# Altium PCB МПСУ.687254.22-01.PcbDoc (part 1 of 2) (continued)
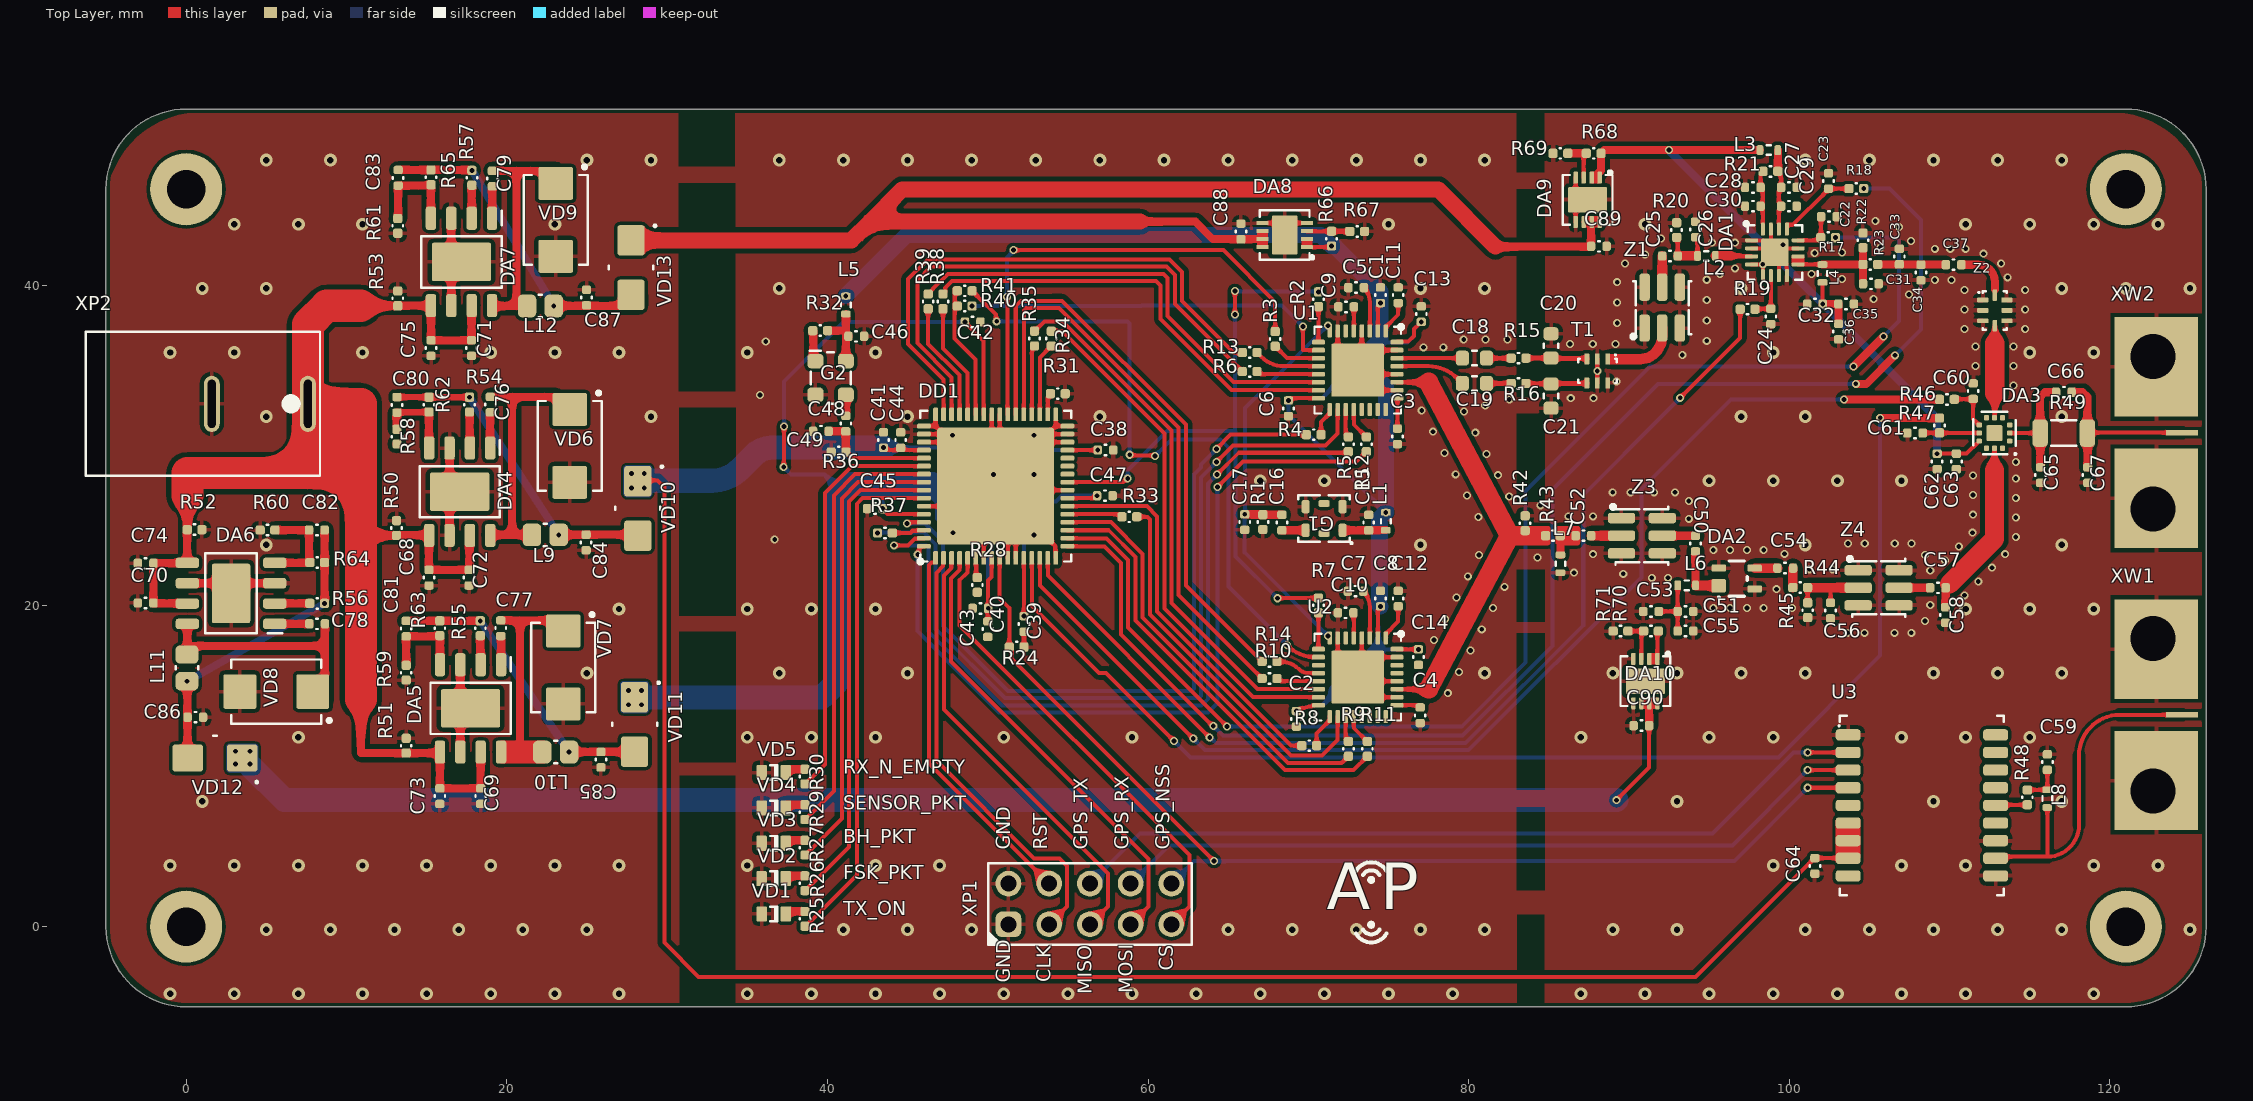
[diagram p0: Top Layer view]
## Components (designator, comment, footprint, x,y, rotation, side; value= is the part's Value field where it differs from the comment) (continued)
R16 "22 Ом ± 1 % 0 Вт 0402 RC0402FR-0722RL" RESC100X50X40L25N 83.115,33.884 r0 top value="22 Ом"
R17 "300 Ом ± 5 % 0 Вт 0402 RI0402L301JT" RESC100X50X40L25N 102.425,42.977 r180 top value="300 Ом"
R18 "300 Ом ± 5 % 0 Вт 0402 RI0402L301JT" RESC100X50X40L25N 104.185,46.037 r180 top value="300 Ом"
R19 "300 Ом ± 5 % 0 Вт 0402 RI0402L301JT" RESC100X50X40L25N 97.4,38.512 r0 top value="300 Ом"
R20 "TBD 0402" RESC100X50X40L25N 92.975,43.452 r90 top value=TBD
R21 "10 Ом ± 5 % 0 Вт 0402 RI0402L100JT" RESC100X50X40L25N 98.825,47.112 r180 top value="10 Ом"
R22 "TBD 0402" RESC100X50X40L25N 104.598,42.807 r90 top value=TBD
R23 "TBD 0402" RESC100X50X40L25N 105.058,41.307 r0 top value=TBD
R24 "10 кОм ± 5 % 0 Вт 0402 RI0402L103JT" RESC100X50X40L25N 51.805,17.433 r180 top value="10 кОм"
R25 "470 Ом ± 5 % 0 Вт 0402 RI0402L471JT" RESC100X50X40L25N 38.6,0.487 r90 top value="470 Ом"
R26 "470 Ом ± 5 % 0 Вт 0402 RI0402L471JT" RESC100X50X40L25N 38.6,2.706 r90 top value="470 Ом"
R27 "470 Ом ± 5 % 0 Вт 0402 RI0402L471JT" RESC100X50X40L25N 38.6,4.925 r90 top value="470 Ом"
R28 "0 Ом ± 5 % 0 Вт 0402 RI0402L000JT" RESC100X50X40L25N 49.35,21.312 r90 top value="0 Ом"
R29 "470 Ом ± 5 % 0 Вт 0402 RI0402L471JT" RESC100X50X40L25N 38.6,7.144 r90 top value="470 Ом"
R30 "470 Ом ± 5 % 0 Вт 0402 RI0402L471JT" RESC100X50X40L25N 38.6,9.362 r90 top value="470 Ом"
R31 "0 Ом ± 5 % 0 Вт 0402 RI0402L000JT" RESC100X50X40L25N 54.375,33.242 r180 top value="0 Ом"
R32 "10 кОм ± 5 % 0 Вт 0402 RI0402L103JT" RESC100X50X40L25N 39.55,37.175 r180 top value="10 кОм"
R33 "110 Ом ± 5 % 0 Вт 0402 RC-02U111JT" RESC100X50X40L25N 58.835,25.566 r180 top value="110 Ом"
R34 "110 Ом ± 5 % 0 Вт 0402 RC-02U111JT" RESC100X50X40L25N 53.969,36.681 r270 top value="110 Ом"
R35 "110 Ом ± 5 % 0 Вт 0402 RC-02U111JT" RESC100X50X40L25N 52.919,36.684 r270 top value="110 Ом"
R36 "DNP 0402" RESC100X50X40L25N 40.7,29.6 r180 top value=DNP
R37 "110 Ом ± 5 % 0 Вт 0402 RC-02U111JT" RESC100X50X40L25N 43.59,24.554 r180 top value="110 Ом"
R38 "110 Ом ± 5 % 0 Вт 0402 RC-02U111JT" RESC100X50X40L25N 47.213,38.999 r90 top value="110 Ом"
R39 "110 Ом ± 5 % 0 Вт 0402 RC-02U111JT" RESC100X50X40L25N 46.288,38.999 r90 top value="110 Ом"
R40 "110 Ом ± 5 % 0 Вт 0402 RC-02U111JT" RESC100X50X40L25N 48.566,38.709 r0 top value="110 Ом"
R41 "110 Ом ± 5 % 0 Вт 0402 RC-02U111JT" RESC100X50X40L25N 48.566,39.659 r0 top value="110 Ом"
R42 "56 Ом ± 1 % 0 Вт 0402 CR-02FL6-56R" RESC100X50X40L25N 83.525,25.162 r90 top value="56 Ом"
R43 "0 Ом ± 5 % 0 Вт 0402 RI0402L000JT" RESC100X50X40L25N 85.26,24.384 r180 top value="0 Ом"
R44 "0 Ом ± 5 % 0 Вт 0402 RI0402L000JT" RESC100X50X40L25N 100.685,21.147 r180 top value="0 Ом"
R45 "TBD 0402" RESC100X50X40L25N 101.15,19.737 r270 top value=TBD
R46 "300 Ом ± 5 % 0 Вт 0402 RI0402L301JT" RESC100X50X40L25N 109.835,32.887 r0 top value="300 Ом"
R47 "300 Ом ± 5 % 0 Вт 0402 RI0402L301JT" RESC100X50X40L25N 109.375,31.262 r270 top value="300 Ом"
R48 "10 Ом ± 5 % 0 Вт 0402 RI0402L100JT" RESC100X50X40L25N 114.85,8.062 r270 top value="10 Ом"
R49 "0 Ом ± 5 % 0 Вт 1206 RI1206L000JT" RESC310X160X55L50N 117.125,30.787 r0 top value="0 Ом"
R50 "10 кОм ± 5 % 0 Вт 0402 RI0402L103JT" RESC100X50X40L25N 13.125,24.862 r90 top value="10 кОм"
R51 "10 кОм ± 5 % 0 Вт 0402 RI0402L103JT" RESC100X50X40L25N 13.725,11.287 r90 top value="10 кОм"
R52 "10 кОм ± 5 % 0 Вт 0402 RI0402L103JT" RESC100X50X40L25N 0.525,24.762 r0 top value="10 кОм"
R53 "10 кОм ± 5 % 0 Вт 0402 RI0402L103JT" RESC100X50X40L25N 13.2,39.187 r90 top value="10 кОм"
R54 "47 кОм ± 5 % 0 Вт 0402 RI0402L473JT" RESC100X50X40L25N 17.675,32.562 r90 top value="47 кОм"
R55 "47 кОм ± 5 % 0 Вт 0402 RI0402L473JT" RESC100X50X40L25N 18.35,18.612 r90 top value="47 кОм"
R56 "47 кОм ± 5 % 0 Вт 0402 RI0402L473JT" RESC100X50X40L25N 8.175,20.162 r0 top value="47 кОм"
R57 "47 кОм ± 5 % 0 Вт 0402 RI0402L473JT" RESC100X50X40L25N 17.825,46.712 r90 top value="47 кОм"
R58 "3 кОм ± 1 % 0 Вт 0402 RC0402FR-073KL" RESC100X50X40L25N 13.15,30.562 r270 top value="3 кОм"
R59 "3 кОм ± 1 % 0 Вт 0402 RC0402FR-073KL" RESC100X50X40L25N 13.725,15.837 r270 top value="3 кОм"
R60 "2 кОм ± 5 % 0 Вт 0402 RC-02W202JT" RESC100X50X40L25N 5.075,24.737 r180 top value="2 кОм"
R61 "3 кОм ± 1 % 0 Вт 0402 RC0402FR-073KL" RESC100X50X40L25N 13.2,43.712 r270 top value="3 кОм"
R62 "5,1 кОм ± 1 % 0 Вт 0402 RI0402L5101FT" RESC100X50X40L25N 15.15,32.562 r270 top value="5,1 кОм"
R63 "2,4 кОм ± 1 % 0 Вт 0402 RC0402FR-072K4L" RESC100X50X40L25N 15.825,18.612 r270 top value="2,4 кОм"
R64 "7,5 кОм ± 1 % 0 Вт 0402 RI0402L7501FT" RESC100X50X40L25N 8.175,22.712 r180 top value="7,5 кОм"
R65 "6,8 кОм ± 5 % 0 Вт 0402 RC-02W682JT" RESC100X50X40L25N 15.275,46.737 r270 top value="6,8 кОм"
R66 "5,6 кОм ± 1 % 0 Вт 0402 RI0402L5601FT" RESC100X50X40L25N 71.45,42.915 r90 top value="5,6 кОм"
R67 "3 кОм ± 1 % 0 Вт 0402 RC0402FR-073KL" RESC100X50X40L25N 73.05,43.365 r0 top value="3 кОм"
R68 "6,2 кОм ± 5 % 0 Вт 0402 RI0402L622JT" RESC100X50X40L25N 87.8,48.237 r180 top value="6,2 кОм"
R69 "3 кОм ± 1 % 0 Вт 0402 RC0402FR-073KL" RESC100X50X40L25N 85.725,48.237 r180 top value="3 кОм"
R70 "10 кОм ± 5 % 0 Вт 0402 RI0402L103JT" RESC100X50X40L25N 91.375,18.437 r180 top value="10 кОм"
R71 "3 кОм ± 1 % 0 Вт 0402 RC0402FR-073KL" RESC100X50X40L25N 89.475,18.437 r180 top value="3 кОм"
T1 "0868BM15C0001S" LCC065P125X200X085-6 88.028,34.662 r270 top
U1 "SX1257IWLTRT" SX1257IWLTRT 73.085,34.709 r270 top
U2 "SX1257IWLTRT" SX1257IWLTRT 73.085,15.559 r270 top
U3 "MAX-7Q" MAX-7-Q0 108.275,7.562 r0 top
VD1 "KP-1608ZGC" KP-1608ZGC 36.65,0.787 r180 top
VD2 "KP-1608SYCK" KP-1608ZGC 36.65,2.994 r180 top
VD3 "KP-1608QBC-D" KP-1608ZGC 36.65,5.2 r180 top
VD4 "KP-1608ZGC" KP-1608ZGC 36.65,7.406 r180 top
VD5 "KP-1608SURC" KP-1608ZGC 36.65,9.612 r180 top
VD6 "STPS3L60U" DIOM5436X11N 23.925,29.987 r270 top
VD7 "STPS3L60U" DIOM5436X11N 23.525,16.162 r270 top
VD8 "STPS3L60U" DIOM5436X11N 5.625,14.662 r180 top
VD9 "STPS3L60U" DIOM5436X11N 23.05,44.087 r270 top
VD10 "B340A-M3" DIOC4227X10N 28.175,26.087 r270 top
VD11 "B340A-M3" DIOC4227X10N 27.975,12.612 r270 top
VD12 "B340A-M3" DIOC4227X10N 1.8,10.512 r180 top
VD13 "B340A-M3" DIOC4227X10N 27.75,41.112 r270 top
XP1 "DS1021-2x5SF11-B" HDRV10W64P254_5X2_1270X508H854 56.375,1.412 r0 top
XP2 "DS-201" DS-201 1.05,32.612 r0 top
XW1 "32K243-40ML5" 32K243-40ML5 125.498,13.212 r180 top
XW2 "32K243-40ML5" 32K243-40ML5 125.498,30.812 r180 top
Z1 "FP3P7-814-10" LCCS110P300X300X146-6N 92.075,38.612 r90 top
Z2 "0868LP15A020E" LCC065P125X200X085-8 112.825,38.437 r0 top
Z3 "FP3P7-814-10" LCCS110P300X300X146-6N 90.81,24.384 r0 top
Z4 "FP3P7-814-10" LCCS110P300X300X146-6N 105.575,21.137 r0 top
? "Comment" M2_Hole#1 1,0 r0 top
? "Comment" M2_Hole#2 120.482,-0.524 r0 top
? "Comment" M2_Hole#3 121,44.812 r0 top
? "Comment" M2_Hole#4 0,44.812 r0 top

## Footprints (in the part's own frame and the unit in brackets; to place one, negate y for a bottom-side part, rotate by r counter-clockwise, add the part's x,y. Pads: shape width x height; smd on the part's side, far side on the other; paste and mask are expansions set on the pad)
32K243-40ML5 [mm] "Right Angle Jack PCB SMA Female End Launch Connector"
  rect 2x0.35 smd paste-1 mask+0: 1(1,0)
  rect 5.2x4 smd far side paste-4 mask+0: 2(2.6,0)
  rect 5.2x6.2 hole 2.8 copper offset -0.2,-0.65 paste-2.6 mask+0: 2(2.8,4.75)
  rect 5.2x6.2 hole 2.8 copper offset -0.2,0.65 paste-2.6 mask+0: 2(2.8,-4.75)
  body extent -9.5,-7 5,7, height 4.14
CAPC100X50X55L20N [mm] "Capacitor, Chip; 1.00 mm L X 0.50 mm W X 0.55 mm H body"
  rrect50% 0.53x0.58 smd: 1(-0.485,0) 2(0.485,0)
  silkscreen extent -0.05,-0.33 0.05,0.33, body extent -0.5,-0.25 0.5,0.25, height 0.55
CAPC160X80X90L30N [mm] "Capacitor, Chip; 1.60 mm L X 0.80 mm W X 0.90 mm H body"
  rrect50% 0.82x0.93 smd: 1(-0.755,0) 2(0.755,0)
  silkscreen extent -0.13,-0.45 0.13,0.45, body extent -0.8,-0.4 0.8,0.4, height 0.9
DIOC4227X10N [mm] "Chip Diode, 2-Leads, Body 4,25x2,67mm, IPC Medium Density"
  rrect20% 1.9x1.7 smd: 1(-1.7,0) 2(1.7,0)
  silkscreen extent -2.65,-1.4 0.1,1.55, body extent -2.25,-1.4 2.25,1.4, height 1
DIOM5436X11N [mm] "Molded Diode, 2-Leads, Body 5,40x3,63mm, IPC Medium Density"
  rrect10% 2.05x2.15 smd: 1(-2.275,0) 2(2.275,0)
  silkscreen extent -3.42,-2 2.8,2, body extent -3.02,-1.97 3.02,1.97, height 1.1
DS-201 [mm] "DC Supply"
  oval 1x3.5 hole 0.5 slot 3 at 90 deg: 1(6.55,0) 2(0.55,0)
  silkscreen extent -7.3,-4.5 7.3,4.5, body extent -7.25,-4.5 7.25,4.5, height 11
DSC1001CI2 [mm] "4-Leads, Body 2,50x3,20mm, Pitch 2,10mm, IPC Medium Density"
  rrect50% 1x0.9 smd: 1(-0.95,1.05) 2(-0.95,-1.05) 3(0.95,-1.05) 4(0.95,1.05)
  silkscreen extent -1.3,-1.6 1.25,1.7, body extent -1.25,-1.6 1.25,1.6, height 0.9
HDRV10W64P254_5X2_1270X508H854 [mm] "Header, Vertical, 2.54 mm pitch; 0.64 mm lead width, 10 pins, 2 rows, 5 pins per row, 12.70 mm L X 5.08 mm W X 8.54 mm H body"
  rrect50% 1.6x1.6 hole 1: 1(-5.08,-1.27)
  round 1.6 hole 1: 2(-5.08,1.27) 3(-2.54,-1.27) 4(-2.54,1.27) 5(0,-1.27) 6(0,1.27) 7(2.54,-1.27) 8(2.54,1.27) 9(5.08,-1.27) 10(5.08,1.27)
  silkscreen extent -6.35,-2.55 6.35,2.55, body extent -6.35,-2.54 6.35,2.54, height 8.54
INDC100X50X60L10N [mm] "Inductor, Chip; 1.00 mm L X 0.50 mm W X 0.60 mm H body"
  rrect50% 0.42x0.61 smd: 1(-0.555,0) 2(0.555,0)
  silkscreen extent -0.13,-0.3 0.13,0.3, body extent -0.5,-0.25 0.5,0.25, height 0.6
INDC200X120X110L50N [mm] "Inductor, Chip; 2.00 mm L X 1.20 mm W X 1.10 mm H body"
  rrect50% 1.15x1.42 smd: 1(-0.835,0) 2(0.835,0)
  silkscreen extent -0.1,-0.7 0.1,0.7, body extent -1,-0.6 1,0.6, height 1.1
KP-1608ZGC [mm] "SODFL, 2-Leads, Body 0,80x1,60mm, IPC Medium Density"
  rrect25% 0.65x0.95 smd: 1(-0.75,0) 2(0.75,0)
  silkscreen extent -0.3,-0.45 0.23,0.45, body extent -0.8,-0.37 0.8,0.38, height 1.1
KT2520K [mm] "6-Pins, Body 2,50x2,50mmx0,80mm"
  rrect50% 0.5x0.825 smd: 1(-1.15,-0.737) 3(1.15,-0.737) 4(1.15,0.737) 6(-1.15,0.737)
  rrect50% 0.7x0.43 smd: 2(0,-0.935) 5(0,0.935)
  silkscreen extent -1.76,-1.45 1.6,1.59, body extent -1.26,-1.26 1.26,1.26, height 0.8
LCC065P125X200X085-6 [mm] "Johanson Ceramic Packages 2mm length, 1.25mm width,0.85mm tall, 0.65mm pitch, 0.3mm pin width, 0.3mm pin length"
  rrect40% 0.7x0.3 smd: 1(-0.75,0.65) 2(-0.75,0) 3(-0.75,-0.65) 4(0.75,-0.65) 5(0.75,0) 6(0.75,0.65)
  silkscreen extent -1.05,-1.2 0.75,1.2, body extent -0.58,-1.05 0.58,1.05, height 1
LCC065P125X200X085-8 [mm] "Johanson Ceramic Packages 2mm length, 1.25mm width,0.85mm tall, 0.65mm pitch, 0.3mm pin width, 0.3mm pin length"
  rrect40% 0.7x0.3 smd: 1(-0.75,0.65) 2(-0.75,0) 3(-0.75,-0.65) 5(0.75,-0.65) 6(0.75,0) 7(0.75,0.65)
  rrect40% 0.3x0.7 smd: 4(0,-0.95) 8(0,0.95)
  silkscreen extent -1.05,-1.2 0.75,1.2, body extent -0.58,-1.05 0.58,1.05, height 1
LCCS110P300X300X146-6N [mm] "LCC, 6-Pins, Body 3,00x3,00mmx1,46mm, Pitch 1,10mm, IPC Medium Density"
  rrect50% 1.7x0.65 smd: 1(-1.275,1.1) 2(-1.275,0) 3(-1.275,-1.1) 4(1.275,-1.1) 5(1.275,0) 6(1.275,1.1)
  silkscreen extent -1.92,-1.8 1.65,1.92, body extent -1.5,-1.5 1.5,1.5, height 1.46
M2_Hole#1 [mm]
  round 4.5 / inner round 3.4 / far side round 4.5 hole 2.4: MH4(-1,0)
  body extent -2.9,-1.9 0.9,1.9, height 1.3
M2_Hole#2 [mm]
  round 4.5 / inner round 3.4 / far side round 4.5 hole 2.4: MH3(0.518,0.524)
  body extent -1.38,-1.38 2.42,2.42, height 1.3
M2_Hole#3 [mm]
  round 4.5 / inner round 3.4 / far side round 4.5 hole 2.4: MH2(0,1.188)
  body extent -1.9,-0.71 1.9,3.09, height 1.3
M2_Hole#4 [mm]
  round 4.5 / inner round 3.4 / far side round 4.5 hole 2.4: MH1(0,1.188)
  body extent -1.9,-0.71 1.9,3.09, height 1.3
MAX-7-Q0 [mm] "Chip Array, Flat, 18-Leads, Pitch 1,10mm,  Body 10,35x9,70mm,  IPC Medium Density"
  rrect50% 1.55x0.7 smd: 1(-4.6,4.4) 2(-4.6,3.3) 3(-4.6,2.2) 4(-4.6,1.1) 5(-4.6,0) 6(-4.6,-1.1) 7(-4.6,-2.2) 8(-4.6,-3.3) 9(-4.6,-4.4) 10(4.6,-4.4) 11(4.6,-3.3) 12(4.6,-2.2) 13(4.6,-1.1) 14(4.6,0) 15(4.6,1.1) 16(4.6,2.2) 17(4.6,3.3) 18(4.6,4.4)
  silkscreen extent -5.21,-5.6 5.1,5.6, body extent -4.85,-5.05 4.85,5.05, height 2.5
PQFN50P200X200X60_HS-13N [mm] "PQFN, 12-Leads, Body 2.00x2.00mm, Pitch 0.50mm, Thermal Pad 1.00x1.00mm, IPC Medium Density"
  rrect50% 0.35x0.3 smd: 1(-0.95,0.5) 2(-0.95,0) 3(-0.95,-0.5) 7(0.95,-0.5) 8(0.95,0) 9(0.95,0.5)
  rrect50% 0.3x0.35 smd: 4(-0.5,-0.95) 5(0,-0.95) 6(0.5,-0.95) 10(0.5,0.95) 11(0,0.95) 12(-0.5,0.95)
  rrect20% 1x1 smd: 13(0,0)
  silkscreen extent -1.35,-1.33 1.33,1.35, body extent -1.02,-1.02 1.02,1.02, height 0.6
QFN50P300X300X90_HS-17N [mm] "QFN, 16-Leads, Body 3,00x3,00mm, Pitch 0,50mm, Thermal Pad 1,73x1,73mm, IPC Medium Density"
  rrect50% 0.8x0.25 smd: 1(-1.45,0.75) 2(-1.45,0.25) 3(-1.45,-0.25) 4(-1.45,-0.75) 9(1.45,-0.75) 10(1.45,-0.25) 11(1.45,0.25) 12(1.45,0.75)
  rrect50% 0.25x0.8 smd: 5(-0.75,-1.45) 6(-0.25,-1.45) 7(0.25,-1.45) 8(0.75,-1.45) 13(0.75,1.45) 14(0.25,1.45) 15(-0.25,1.45) 16(-0.75,1.45)
  rrect10% 1.7x1.7 smd: 17(0,0)
  silkscreen extent -1.89,-1.7 1.7,1.89, body extent -1.55,-1.55 1.55,1.55, height 0.9
RESC100X50X40L25N [mm] "Resistor, Chip; 1.00 mm L X 0.50 mm W X 0.40 mm H body"
  rrect50% 0.58x0.58 smd: 1(-0.46,0) 2(0.46,0)
  silkscreen extent -0.04,-0.32 0.04,0.33, body extent -0.5,-0.25 0.5,0.25, height 0.4
RESC310X160X55L50N [mm] "Resistor, Chip; 3.10 mm L X 1.60 mm W X 0.55 mm H body"
  rrect50% 0.96x1.71 smd: 1(-1.475,0) 2(1.475,0)
  silkscreen extent -0.78,-0.8 0.78,0.8, body extent -1.55,-0.8 1.55,0.8, height 0.55
SON9P50_300X300X80L40X25T244X160N [mm] "Small Outline No-Lead (SON with Tab), 0.50 mm pitch; 8 pin, 3.00 mm L X 3.00 mm W X 0.80 mm H body"
  rrect50% 0.27x0.76 smd: 1(-0.75,-1.385) 2(-0.25,-1.385) 3(0.25,-1.385) 4(0.75,-1.385) 5(0.75,1.385) 6(0.25,1.385) 7(-0.25,1.385) 8(-0.75,1.385)
  rrect10% 2.44x1.6 smd: 9(0,0)
  silkscreen extent -1.55,-1.78 1.55,1.55, body extent -1.5,-1.55 1.5,1.55, height 0.8
SOP127P600X175_HS-9N [mm] "SOP, 8-Leads, Body 4,90x3,90mm, Pitch 1,27mm, Thermal Pad 3,50x2,40mm, IPC Medium Density"
  rrect50% 1.45x0.65 smd: 1(-2.725,1.905) 2(-2.725,0.635) 3(-2.725,-0.635) 4(-2.725,-1.905) 5(2.725,-1.905) 6(2.725,-0.635) 7(2.725,0.635) 8(2.725,1.905)
  rrect10% 2.4x3.7 smd: 9(0,0)
  silkscreen extent -3.2,-2.5 1.6,2.5, body extent -3,-2.5 3,2.5, height 1.75
SOT130P210X100-4N [mm] "SOT343, 4-Leads, Body 2,00x2,10mm, Pitch 1,30mm, IPC Medium Density"
  rrect25% 0.9x0.85 smd: 1(1.12,0.45)
  rrect40% 0.9x0.45 smd: 2(-1.12,0.65) 3(-1.12,-0.65) 4(1.12,-0.65)
  silkscreen extent -0.65,-1.1 1.17,1.22, body extent -0.9,-1.1 0.9,1.1, height 1
SX1257IWLTRT [mm] "QFN127P600-8N Package for SX1257"
  rrect50% 0.8x0.3 smd: 1(-2.45,1.75) 2(-2.45,1.25) 3(-2.45,0.75) 4(-2.45,0.25) 5(-2.45,-0.25) 6(-2.45,-0.75) 7(-2.45,-1.25) 8(-2.45,-1.75) 17(2.45,-1.75) 18(2.45,-1.25) 19(2.45,-0.75) 20(2.45,-0.25) 21(2.45,0.25) 22(2.45,0.75) 23(2.45,1.25) 24(2.45,1.75)
  rrect50% 0.3x0.8 smd: 9(-1.75,-2.45) 10(-1.25,-2.45) 11(-0.75,-2.45) 12(-0.25,-2.45) 13(0.25,-2.45) 14(0.75,-2.45) 15(1.25,-2.45) 16(1.75,-2.45) 25(1.75,2.45) 26(1.25,2.45) 27(0.75,2.45) 28(0.25,2.45) 29(-0.25,2.45) 30(-0.75,2.45) 31(-1.25,2.45) 32(-1.75,2.45)
  rrect5% 3.3x3.3 smd: 33(0,0)
  silkscreen extent -2.82,-2.7 2.7,2.83, body extent -2.55,-2.55 2.55,2.55, height 0.8
SX1301IMLTRC [mm] "QFN127P600-8N Package for SX1301IMLTRC"
  rrect50% 0.85x0.3 smd: 1(-4.475,3.75) 2(-4.475,3.25) 3(-4.475,2.75) 4(-4.475,2.25) 5(-4.475,1.75) 6(-4.475,1.25) 7(-4.475,0.75) 8(-4.475,0.25) 9(-4.475,-0.25) 10(-4.475,-0.75) 11(-4.475,-1.25) 12(-4.475,-1.75) 13(-4.475,-2.25) 14(-4.475,-2.75) 15(-4.475,-3.25) 16(-4.475,-3.75) 33(4.475,-3.75) 34(4.475,-3.25) 35(4.475,-2.75) 36(4.475,-2.25) 37(4.475,-1.75) 38(4.475,-1.25) 39(4.475,-0.75) 40(4.475,-0.25) 41(4.475,0.25) 42(4.475,0.75) 43(4.475,1.25) 44(4.475,1.75) 45(4.475,2.25) 46(4.475,2.75) 47(4.475,3.25) 48(4.475,3.75)
  rrect50% 0.3x0.85 smd: 17(-3.75,-4.475) 18(-3.25,-4.475) 19(-2.75,-4.475) 20(-2.25,-4.475) 21(-1.75,-4.475) 22(-1.25,-4.475) 23(-0.75,-4.475) 24(-0.25,-4.475) 25(0.25,-4.475) 26(0.75,-4.475) 27(1.25,-4.475) 28(1.75,-4.475) 29(2.25,-4.475) 30(2.75,-4.475) 31(3.25,-4.475) 32(3.75,-4.475) 49(3.75,4.475) 50(3.25,4.475) 51(2.75,4.475) 52(2.25,4.475) 53(1.75,4.475) 54(1.25,4.475) 55(0.75,4.475) 56(0.25,4.475) 57(-0.25,4.475) 58(-0.75,4.475) 59(-1.25,4.475) 60(-1.75,4.475) 61(-2.25,4.475) 62(-2.75,4.475) 63(-3.25,4.475) 64(-3.75,4.475)
  rrect5% 7.3x7.3 smd: 65(0,0)
  silkscreen extent -4.82,-4.7 4.7,4.82, body extent -4.55,-4.55 4.55,4.55, height 1

## Part data
C1 C2 C3 C4 C5 C6 C7 C8 C9 C10 C11 C12 C13 C14 C29 C30 C43 C44: library part "C 0402", "Capacitor 0402", Dielectric=X5R, Manufacturer=Murata, Package=0402, PartNumber=GRM155R61C105KA12D, Tolerance="10 %", 3D_Body=+, Category=Passive, Designer=Свидерский, Peak_Condition="16 В", Status=Approved, Subcategory=Capacitor
C15 C38 C39 C40 C41 C42 C45 C46 C47 C62 C72 C73 C74 C75 C76 C77 C78 C79 C80 C81 C82 C83: library part "C 0402", "Capacitor 0402", Dielectric=X7R, Manufacturer=Murata, Package=0402, PartNumber=GRM155R71H104KE14J, Tolerance="10 %", 3D_Body=+, Category=Passive, Designer=Свидерский, Peak_Condition="50 В", Status=Approved, Subcategory=Capacitor
C16 C22 C23 C24 C25 C27 C28 C32 C35 C37 C48 C50 C51 C52 C53 C54 C55 C57 C60 C61 C63: library part "C 0402", "Capacitor 0402", Dielectric=C0G, Manufacturer=Murata, Package=0402, PartNumber=GRM1555C1H101JZ01D, Tolerance="5 %", 3D_Body=+, Category=Passive, Designer=Свидерский, Peak_Condition="50 В", Status=Approved, Subcategory=Capacitor
C17 C26 C31 C33 C34 C36 C49 C58 C65 C66 C67: library part "C 0402", "Capacitor 0402", Package=0402, Tolerance="0 %", 3D_Body=+, Category=Passive, Designer=Свидерский, Notes=CP, Peak_Condition="0 В", Status=Approved, Subcategory=Capacitor
C18 C19: library part "C 0603", "Capacitor 0603", Dielectric=C0G, Manufacturer=Murata, Package=0603, PartNumber=GRM1885C2A101FA01D, Tolerance="1 %", 3D_Body=+, Category=Passive, Designer=Свидерский, Peak_Condition="100 В", Status=Approved, Subcategory=Capacitor
C20 C21: library part "C 0603", "Capacitor 0603", Dielectric=C0G, Manufacturer=Murata, Package=0603, PartNumber=GRM1885C1H3R9CZ01D, Tolerance="0,25 пФ", 3D_Body=+, Category=Passive, Designer=Свидерский, Peak_Condition="50 В", Status=Approved, Subcategory=Capacitor
C56: library part "C 0402", "Capacitor 0402", Dielectric=C0G, Manufacturer=Murata, Package=0402, PartNumber=GRM1555C1HR70WA01D, Tolerance="0,05 пФ", 3D_Body=+, Category=Passive, Designer=Свидерский, Peak_Condition="50 В", Status=Approved, Subcategory=Capacitor
C59 C64 C84 C85 C86 C87 C88 C89 C90: library part "C 0402", "Capacitor 0402", Dielectric=JB, Manufacturer=TDK, Package=0402, PartNumber=C3216JB1A107M160AC, Tolerance="20 %", 3D_Body=+, Category=Passive, Designer=Свидерский, Peak_Condition="10 В", Status=Approved, Subcategory=Capacitor
C68 C69 C70 C71: library part "C 0402", "Capacitor 0402", Dielectric=X5R, Manufacturer=Murata, Package=0402, PartNumber=GRM188R61E106KA73J, Tolerance="10 %", 3D_Body=+, Category=Passive, Designer=Свидерский, Peak_Condition="25 В", Status=Approved, Subcategory=Capacitor
DA1: "380 to 960 MHz, 3 to 5V programmable gain high efficiency power amplifier", Manufacturer="RFD, Qorvo", Package="16-Lead QFN", 3D_Body=+, Category=IC, ComponentLink1Description="Техническое описание", ComponentLink1URL=Q:\Libs\Descriptions_PDF\RFPA0133_data_sheet.pdf, Designer=Лазба, PartNumber=RFPA0133TR7, Status=Check, Subcategory=VGA
DA2: "50 MHz to 4000 MHz Low-Noise Amplifier", Manufacturer=Qorvo, Package=SOT343, 3D_Body=+, Category=IC, ComponentLink1Description="Техническое описание", ComponentLink1URL="Q:\Libs\Descriptions_PDF\SPF5043Z Data Sheet.pdf", Designer=Лазба, PartNumber=SPF5043Z, Status=Check, Subcategory=LNA
DA3: "Broadband SPDT Switch 0.005-6 GHz", Manufacturer=Qorvo, 3D_Body=+, Category=IC, ComponentLink1Description="Техническое описание", ComponentLink1URL="Q:\Libs\Descriptions_PDF\RFSW1012 Data Sheet.pdf", Designer=Лазба, PartNumber=RFSW1012, Status=Check, Subcategory=Switch
DA4 DA5 DA6 DA7: "Up to 3 A step-down switching regulator", Manufacturer=STMicroelectronics, Package=HSOP-8, 3D_Body=+, Category=IC, ComponentLink1Description="Техническое описание", ComponentLink1URL=Q:\Libs\Descriptions_PDF\ST1S14.pdf, Designer=Затонская, PartNumber=ST1S14PH, Status=Check, Subcategory="Power Supply"
DA8 DA9 DA10: library part LT1965*DD, "1.1A, Low Noise,  Low Dropout Linear Regulator", Manufacturer="Analog Devices", Package="8-LEAD (3mm × 3mm) PLASTIC DFN", 3D_Body=+, Category=IC, ComponentLink1Description="Техническое описание", ComponentLink1URL=Q:\Libs\Descriptions_PDF\LT1965.pdf, Designer=Свидерский, PartNumber=LT1965EDD, Status=Approved, Subcategory="Power Supply"
DD1: "LoRa Core™ Digital Baseband Chip for outdoor LoRaWAN® network macro gateways", Manufacturer=Semtech, Package=QFN64, 3D_Body=+, Category=IC, ComponentLink1Description="Техническое описание", ComponentLink1URL=Q:\Libs\Descriptions_PDF\DS_SX1301_V2_4_W.pdf, Designer=Лазба, PartNumber=SX1301IMLTRC, Status=Check, Subcategory=BPP
G1: library part KT2520K.*****.*.*.*.**.*.*, "Temperature Compensated Crystal Oscillators (TCXO, VCTCXO) Surface Mount Type", Manufacturer=Kyocera, Package="Miniature SMD type (2.5×2.0×0.8mm)", Standard Freq, MHz="19.2, 26, 32, 38.4, 48, 52", 3D_Body=+, Category=IC, ComponentLink1Description="Техническое описание", ComponentLink1URL=Q:\Libs\Descriptions_PDF\kt2520_e.pdf, Designer=Лазба, PartNumber=KT2520K.32000.A.C.W.33.T.AS, Status=Check, Subcategory="Crystal Oscillator"
G2: library part DSC1001/3/4***-***.****, "1.8V-3.3V Low-Power Precision CMOS Oscillators 1-150 MHz Family", Manufacturer=Microchip, 3D_Body=+, Category=IC, ComponentLink1Description="Техническое описание", ComponentLink1URL=Q:\Libs\Descriptions_PDF\DSC1001-3-4\DSC1001-3-4.pdf, ComponentLink2Description="Техническое описание 2", ComponentLink2URL=Q:\Libs\Descriptions_PDF\DSC1001-3-4\DSC1001.pdf, Designer=Лазба, PartNumber=DSC1001CI2-133.0000, Status=Check, Subcategory="Crystal Oscillator"
L1 L3 L4 L5 L6: library part "L 0402", "Inductor 0402", Manufacturer=Murata, Package=0402, PartNumber=LQG15HNR10J02D, Tolerance="5 %", 3D_Body=+, Category=Passive, Designer=Свидерский, Peak_Condition="200 мА", Status=Approved, Subcategory=Inductor
L2: library part "L 0402", "Inductor 0402", Package=0402, Tolerance="0 %", 3D_Body=+, Category=Passive, Designer=Свидерский, Notes=CP, Peak_Condition="0 А", Status=Approved, Subcategory=Inductor
L7: library part "L 0402", "Inductor 0402", Manufacturer=Murata, Package=0402, PartNumber=LQG15HN82NJ02D, Tolerance="5 %", 3D_Body=+, Category=Passive, Designer=Свидерский, Peak_Condition="200 mA", Status=Approved, Subcategory=Inductor
L8: library part "L 0402", "Inductor 0402", Manufacturer=Murata, Package=0402, PartNumber=LQG15HSR27J02D, Tolerance="5 %", 3D_Body=+, Category=Passive, Designer=Свидерский, Peak_Condition="110 мА", Status=Approved, Subcategory=Inductor
L9 L10 L11 L12: library part "L 0805", "Inductor 0805", Manufacturer=Murata, Package=0805, PartNumber=LQM21PZ4R7NGRD, Tolerance="30 %", 3D_Body=+, Category=Passive, Designer=Свидерский, Peak_Condition="800 мА", Status=Approved, Subcategory=Inductor
R1 R20 R22 R23 R36 R45: library part "R 0402", "Resistor 0402", Package=0402, Tolerance="0 %", 3D_Body=+, Category=Passive, Designer=Свидерский, Notes=CP, Peak_Condition="0 Вт", Status=Approved, Subcategory=Resistor
R2 R3 R4 R5 R6 R7 R8 R9 R10 R11 R12 R13 R14 R33 R34 R35 R37 R38 R39 R40 R41: library part "R 0402", "Resistor 0402", Manufacturer=Fenghua, Package=0402, PartNumber=RC-02U111JT, Tolerance="5 %", 3D_Body=+, Category=Passive, Designer=Свидерский, Peak_Condition="0 Вт", Status=Approved, Subcategory=Resistor
R15 R16: library part "R 0402", "Resistor 0402", Manufacturer=Thunder, Package=0402, PartNumber=RC0402FR-0722RL, Tolerance="1 %", 3D_Body=+, Category=Passive, Designer=Свидерский, Peak_Condition="0 Вт", Status=Approved, Subcategory=Resistor
R17 R18 R19 R46 R47: library part "R 0402", "Resistor 0402", Manufacturer=Hottech, Package=0402, PartNumber=RI0402L301JT, Tolerance="5 %", 3D_Body=+, Category=Passive, Designer=Свидерский, Peak_Condition="0 Вт", Status=Approved, Subcategory=Resistor
R21 R48: library part "R 0402", "Resistor 0402", Manufacturer=Hottech, Package=0402, PartNumber=RI0402L100JT, Tolerance="5 %", 3D_Body=+, Category=Passive, Designer=Свидерский, Peak_Condition="0 Вт", Status=Approved, Subcategory=Resistor
R24 R32 R50 R51 R52 R53 R70: library part "R 0402", "Resistor 0402", Manufacturer=Hottech, Package=0402, PartNumber=RI0402L103JT, Tolerance="5 %", 3D_Body=+, Category=Passive, Designer=Свидерский, Peak_Condition="0 Вт", Status=Approved, Subcategory=Resistor
R25 R26 R27 R29 R30: library part "R 0402", "Resistor 0402", Manufacturer=Hottech, Package=0402, PartNumber=RI0402L471JT, Tolerance="5 %", 3D_Body=+, Category=Passive, Designer=Свидерский, Peak_Condition="0 Вт", Status=Approved, Subcategory=Resistor
R28 R31 R43 R44: library part "R 0402", "Resistor 0402", Manufacturer=Hottech, Package=0402, PartNumber=RI0402L000JT, Tolerance="5 %", 3D_Body=+, Category=Passive, Designer=Свидерский, Peak_Condition="0 Вт", Status=Approved, Subcategory=Resistor
R42: library part "R 0402", "Resistor 0402", Manufacturer="Viking Tech", Package=0402, PartNumber=CR-02FL6-56R, Tolerance="1 %", 3D_Body=+, Category=Passive, Designer=Свидерский, Peak_Condition="0 Вт", Status=Approved, Subcategory=Resistor
R49: library part "R 1206", "Resistor 1206", Manufacturer=Hottech, Package=1206, PartNumber=RI1206L000JT, Tolerance="5 %", 3D_Body=+, Category=Passive, Designer=Свидерский, Peak_Condition="0 Вт", Status=Approved, Subcategory=Resistor
R54 R55 R56 R57: library part "R 0402", "Resistor 0402", Manufacturer=Hottech, Package=0402, PartNumber=RI0402L473JT, Tolerance="5 %", 3D_Body=+, Category=Passive, Designer=Свидерский, Peak_Condition="0 Вт", Status=Approved, Subcategory=Resistor
R58 R59 R61 R67 R69 R71: library part "R 0402", "Resistor 0402", Manufacturer=Thunder, Package=0402, PartNumber=RC0402FR-073KL, Tolerance="1 %", 3D_Body=+, Category=Passive, Designer=Свидерский, Peak_Condition="0 Вт", Status=Approved, Subcategory=Resistor
R60: library part "R 0402", "Resistor 0402", Manufacturer=Fenghua, Package=0402, PartNumber=RC-02W202JT, Tolerance="5 %", 3D_Body=+, Category=Passive, Designer=Свидерский, Peak_Condition="0 Вт", Status=Approved, Subcategory=Resistor
R62: library part "R 0402", "Resistor 0402", Manufacturer=Hottech, Package=0402, PartNumber=RI0402L5101FT, Tolerance="1 %", 3D_Body=+, Category=Passive, Designer=Свидерский, Peak_Condition="0 Вт", Status=Approved, Subcategory=Resistor
R63: library part "R 0402", "Resistor 0402", Manufacturer=Thunder, Package=0402, PartNumber=RC0402FR-072K4L, Tolerance="1 %", 3D_Body=+, Category=Passive, Designer=Свидерский, Peak_Condition="0 Вт", Status=Approved, Subcategory=Resistor
R64: library part "R 0402", "Resistor 0402", Manufacturer=Hottech, Package=0402, PartNumber=RI0402L7501FT, Tolerance="1 %", 3D_Body=+, Category=Passive, Designer=Свидерский, Peak_Condition="0 Вт", Status=Approved, Subcategory=Resistor
R65: library part "R 0402", "Resistor 0402", Manufacturer=Fenghua, Package=0402, PartNumber=RC-02W682JT, Tolerance="5 %", 3D_Body=+, Category=Passive, Designer=Свидерский, Peak_Condition="0 Вт", Status=Approved, Subcategory=Resistor
R66: library part "R 0402", "Resistor 0402", Manufacturer=Hottech, Package=0402, PartNumber=RI0402L5601FT, Tolerance="1 %", 3D_Body=+, Category=Passive, Designer=Свидерский, Peak_Condition="0 Вт", Status=Approved, Subcategory=Resistor
R68: library part "R 0402", "Resistor 0402", Manufacturer=Hottech, Package=0402, PartNumber=RI0402L622JT, Tolerance="5 %", 3D_Body=+, Category=Passive, Designer=Свидерский, Peak_Condition="0 Вт", Status=Approved, Subcategory=Resistor
T1: library part 0868BM15C0001*, "868MHz Center Frequency Balun/Filter for high frequency ceramic solutions 10MHz Bandwidth 0.5dB 0805 (2012 Metric), 8 PC Pad", Manufacturer="Johanson Technology Inc.", 3D_Body=+, Category=Passive, ComponentLink1Description="Техническое описание", ComponentLink1URL=Q:\Libs\Descriptions_PDF\0868BM15C0001.pdf, Designer=Лазба, PartNumber=0868BM15C0001S, Status=Check, Subcategory=Filter
U1 U2: "LoRa Core™ Low Power Digital I and Q RF Multi-PHY Mode Analog Front End 860-1000MHz", Manufacturer=Semtech, Package=QFN32, 3D_Body=+, Category=IC, ComponentLink1Description="Техническое описание", ComponentLink1URL=Q:\Libs\Descriptions_PDF\DS_SX1257_V1.2.pdf, Designer=Лазба, PartNumber=SX1257IWLTRT, Status=Check, Subcategory=Transciever
U3: library part MAX-7-*, "GPS/GNSS Module", Manufacturer=u-blox, 3D_Body=+, Category=IC, ComponentLink1Description="Техническое описание", ComponentLink1URL=Q:\Libs\Descriptions_PDF\MAX_7_DataSheet__UBX_13004068_-2010070.pdf, Designer=Лазба, PartNumber=MAX-7Q, Status=Check, Subcategory=Transciever
VD1 VD2 VD3 VD4 VD5: library part KP-1608***, "1.6X0.8mm SMD CHIP LED LAMP", Manufacturer=Kingbright, Package="1.6mmX0.8mm SMD LED", 3D_Body=+, Category=Discrete, ComponentLink1Description="Техническое описание", ComponentLink1URL=Q:\Libs\Descriptions_PDF\KP-1608ZGC.pdf, Designer=Ушакова, Status=Approved, Subcategory=Diode
  VD1 VD4: PartNumber=KP-1608ZGC
  VD2: PartNumber=KP-1608SYCK
  VD3: PartNumber=KP-1608QBC-D
  VD5: PartNumber=KP-1608SURC
VD6 VD7 VD8 VD9: library part STPS3L60, "60 V, 3 A low drop Schottky rectifier", Manufacturer="Diodes Incorporated", Package=SMB, 3D_Body=+, Category=Discrete, ComponentLink1Description="Техническое описание", ComponentLink1URL=Q:\Libs\Descriptions_PDF\STPS3L60.pdf, Designer=Затонская, PartNumber=STPS3L60U, Status=Check, Subcategory=Diode
VD10 VD11 VD12 VD13: "SURFACE MOUNT SCHOTTKY BARRIER RECTIFIER", Manufacturer="Diodes Incorporated", Package=SOD-123, 3D_Body=+, Category=Discrete, ComponentLink1Description="Техническое описание", ComponentLink1URL=Q:\Libs\Descriptions_PDF\DOC001652710.pdf, Designer=Затонская, PartNumber=B340A-M3, Status=Check, Subcategory=Diode
XP1: "Вилка 2,54мм", Manufacturer="Connfly Electronic", 3D_Body=+, Category=Connector, ComponentLink1Description="Техническое описание", ComponentLink1URL=Q:\Libs\Descriptions_PDF\DS1021.pdf, Designer=Свидерский, PartNumber=DS1021-2x5SF11-B, Pins=2x5, Pitch=2.54mm, Status=Approved, Subcategory=Male, System=Connector
XP2: "DC supply 2 PIN DC-005 2.1x5.5mm", Manufacturer=AMASS, 3D_Body=+, Category=Connector, ComponentLink1Description="Техническое описание", ComponentLink1URL=Q:\Libs\Descriptions_PDF\XT60PW.pdf, Designer=Лазба, PartNumber=DS-201, Pins=2, Status=Check, Subcategory=Male, System=Connector
XW1 XW2: "RF connector, Right Angle Jack PCB SMA Female End Launch Connector", Manufacturer=Rosenberger, 3D_Body=+, Category=Connector, ComponentLink1Description="Техническое описание", ComponentLink1URL=Q:\Libs\Descriptions_PDF\32K243-40ML5.pdf, Designer=Шеремет, PartNumber=32K243-40ML5, Pins=Coax, Pitch=3.5mm, Status=Approved, Subcategory=RF, System=Connector
Z1 Z3 Z4: library part FP3P7-***-**, "BandPass Filter", Manufacturer=БУТИС, Package="SMD 3,0x3,0", 3D_Body=+, Category=Passive, ComponentLink1Description="Техническое описание", ComponentLink1URL=Q:\Libs\Descriptions_PDF\FP3P7-814-10.pdf, Designer=Лазба, PartNumber=FP3P7-814-10, Status=Check, Subcategory=Filter
Z2: library part 0868LP15A020, "868MHz Center Frequency Low Pass Filter for high frequency ceramic solutions 20MHz Bandwidth 0.5dB 0805 (2012 Metric), 8 PC Pad", Manufacturer="Johanson Technology Inc.", 3D_Body=+, Category=Passive, ComponentLink1Description="Техническое описание", ComponentLink1URL=Q:\Libs\Descriptions_PDF\0868LP15A020.pdf, Designer=Лазба, PartNumber=0868LP15A020E, Status=Check, Subcategory=Filter

## Via types
v1: diameter 0.5, hole 0.3, Top Layer to Bottom Layer, tented both sides, 212 vias
v2: diameter 0.8, hole 0.4, Top Layer to Bottom Layer, tented both sides, 169 vias
v3: diameter 0.6, hole 0.3, Top Layer to Bottom Layer, tented both sides, 18 vias

## Nets (pads, with @x,y where several pads share a name; then routed paths per layer and width w, separated by ;. In a path a pad name is that pad's centre, name@x,y a point inside that pad or via, vN(x,y) a via of type N, cw(c..) or ccw(c..) an arc to the next point about the centre after c; other vN are vias at no path point)
"+1.8 VD": C39.1 C40.1 C42.1 C43.1 C45.1 C47.1 DD1.8 DD1.12 DD1.23 DD1.42 DD1.60 VD11.1 | length 95.1
  Top Layer w0.25: v1(37.275,28.68) 37.287,28.692 37.287,31.175 v1(37.3,31.187) ; v1(43.446,26.075) 43.446,26.054 43.585,25.915 43.606,25.915 43.796,25.725 DD1.60@46.025,25.725 ; v1(48.581,37.719) 48.581,37.694 49.75,36.525 DD1.42@49.75,31.95 ; C43.1@50.006,19.036 50.019,19.049 50.019,19.841 v1(50.031,19.853) ; C40.1@50.031,19.882 50.031,21.588 50.25,21.807 DD1.8@50.25,23 ; DD1.12@52.25,23 52.258,22.992 52.258,19.375 v1(52.265,19.367) C39.1@52.34,19.442 ; DD1.23@54.975,26.725 56.681,26.725 56.821,26.864 v1(56.821,26.882)
  Bottom Layer w0.25: v1(37.275,28.68) 37.742,28.212 39.8,28.212 40.897,27.115 ; v1(37.3,31.187) 37.3,34 41.019,37.719 v1(48.581,37.719) ; 43.433,27.622 43.446,27.61 v1(43.446,26.075) ; v1(50.031,19.853) 50.031,22.892 50.243,23.104 50.243,26.075 ; 51.835,26.075 52.285,26.525 54.266,26.525 54.623,26.882 v1(56.821,26.882) ; v1(52.265,19.367) 52.265,25.984
  Bottom Layer w1.5: 27.975,14.287 39.646,14.287 40.525,15.166 40.525,26.743 41.404,27.622 43.433,27.622 46.568,27.622 47.447,26.743 47.447,26.247 ; 50.243,26.075 51.835,26.075
  other v3: 27.6,13.837 28.4,13.837 27.6,14.737 28.4,14.737
"+3,6V RFPA_VCC": C32.1 C35.1 C36.1 C62.2 C63.2 DA3.9 DA9.1 DA9.2 L3.1 L4.1 R68.1 | length 44.1
  Top Layer w0.25: L4.1@102.075,40.187 102.08,40.182 102.08,38.842 v1(102.085,38.837) ; v1(109.225,29.502) C63.2@110.425,29.502 111.065,29.502 111.8,30.237 111.8,30.262 111.825,30.287 DA3.9@111.85,30.287
  Top Layer w0.5: 87.81,46.722 88.26,47.172 R68.1@88.26,48.237 88.46,48.437 v1(92.5,48.437) L3.1@98.175,48.437 ; v1(102.085,38.837) C35.1@103.065,38.837 103.07,38.832 103.07,37.602 C36.1@103.075,37.597
  Bottom Layer w0.5: v1(92.5,48.437) 92.5,48.422 v1(102.085,38.837) 109.225,31.697 v1(109.225,29.502)
"+3.3 VD": C38.1 C41.1 C44.1 C64.1 DD1.29 DD1.52 U3.6 U3.7 U3.8 VD10.1 | length 143.7
  Top Layer w0.25: v3(28.575,28.262) v3(27.775,28.262) 28.2,27.837 29.4,27.837 29.825,27.412 29.825,-0.988 31.975,-3.138 94.165,-3.138 101.575,4.272 C64.1@101.6,4.272 ; v1(43.5,29.88) 43.655,29.725 C44.1@44.719,29.725 ; C44.1@44.55,29.84 C44.1@44.575,29.865 ; C44.1@44.579,29.865 C44.1@44.719,29.725 ; DD1.52@46.025,29.725 C44.1@44.719,29.725 ; DD1.29@54.975,29.725 v1(56.865,29.725) ; C64.1@101.587,4.28 103.668,4.28 103.675,4.272 U3.8@103.675,4.262
  Top Layer w1.5: VD10.1@28.175,27.787 28.2,27.812 VD10.1@28.275,27.812
  Bottom Layer w0.25: v1(43.5,29.88) 53.555,29.88 53.71,29.725 v1(56.865,29.725)
  Bottom Layer w1.5: 28.175,27.812 32.775,27.812 ccw(c32.775,30.347) 34.567,28.555 35.445,29.433 cw(c36.525,28.353) 36.525,29.88 v1(43.5,29.88)
  other v3: 27.775,27.362 28.575,27.362
+3.3V_133M: C1.2 C2.2 C6.2 C8.2 C13.2 C14.2 DA8.1 DA8.2 L1.1 L5.1 R66.1 U1.2 U1.16 U1.32 U2.2 U2.16 U2.32 | length 106
  Top Layer w0.25: L5.1@41.15,39.33 v1(41.15,39.34) L5.1@41.15,39.35 ; v1(68.76,32.819) 68.9,32.959 U1.16@70.635,32.959 ; v1(69.257,13.447) 69.414,13.58 70.36,13.784 U2.16@70.635,13.809 ; DA8.2@69.91,42.89 DA8.1@69.91,42.39 71.385,42.39 v1(71.45,42.455) ; U2.2@74.335,18.009 74.335,19.812 v1(74.5,19.977) ; U1.2@74.335,37.159 74.335,38.734 v1(74.5,38.899) ; U2.32@75.535,17.309 75.543,17.301 76.859,17.301 v1(76.867,17.292) ; U1.32@75.535,36.459 75.56,36.484 76.234,36.484 76.597,36.848 76.597,37.268 76.889,37.559 76.889,37.58 77.028,37.72 v1(77.049,37.72)
  Bottom Layer w0.25: v1(69.257,13.447) v1@69.446,13.566 ; 69.522,13.597 70.457,13.812 70.887,13.812 71.764,14.689 ; 72.071,34.181 70.849,32.959 68.967,32.959 68.827,32.819 v1(68.76,32.819) 68.76,31.914 v1(74.835,25.839) 74.835,20.449 ; 74.335,36.445 76.194,36.445 76.597,36.848 76.597,37.268 v1(77.049,37.72) ; 74.357,17.282 74.357,19.767 74.5,19.91 v1(74.5,19.977) ; 74.372,17.297 76.862,17.297 v1(76.867,17.292)
  Bottom Layer w1: v1(41.15,39.34) 44.959,43.149 70.756,43.149 v1(71.45,42.455) 71.65,42.455 74.5,39.606 v1(74.5,38.899) 74.5,36.61 74.335,36.445 73.203,35.313 ; 71.764,14.689 74.357,17.282 ; 72.071,34.181 73.203,35.313 ; v1(74.5,19.977) 74.399,20.078 74.399,25.404 v1(74.835,25.839) 74.835,33.681 73.203,35.313
+4V: C88.1 C89.1 DA8.6 DA8.7 DA8.8 DA9.6 DA9.7 DA9.8 VD13.1 | length 91.1
  Top Layer w0.25: DA8.8@67.14,42.39 67.14,42.88 DA8.7@67.14,42.89 DA8.6@67.14,43.39 ; DA9.6@87.175,43.952 87.635,43.952 DA9.7@87.675,43.952 DA9.8@88.175,43.952
  Top Layer w0.5: 59.5,43.975 62.948,43.975 64.043,42.88 C88.1@65.775,42.88 ; C88.1@65.8,42.88 DA8.7@67.14,42.88 ; 81.675,42.412 87.635,42.412 C89.1@87.635,42.437 DA9.7@87.635,43.952
  Top Layer w1: VD13.1@27.75,42.812 41.5,42.812 42.663,43.975 ; 59.5,43.975 42.663,43.975 ; 81.675,42.412 78.105,45.982 44.67,45.982 42.663,43.975
+5.8V: C90.1 DA10.6 DA10.7 DA10.8 VD12.1 | length 93
  Top Layer w0.25: v1(89.225,7.887) 91.26,9.922 C90.1@91.26,12.512
  Top Layer w0.5: C90.1@91.26,12.537 91.26,13.927 DA10.7@91.275,13.927
  Bottom Layer w1.5: v3@3.975,10.037 6.125,7.887 v1(89.225,7.887)
  other v3: 3.075,10.137 3.975,10.137 3.075,10.937 3.975,10.937